# Altium PCB DRS4-PCB.PcbDoc (part 14 of 15) (continued)
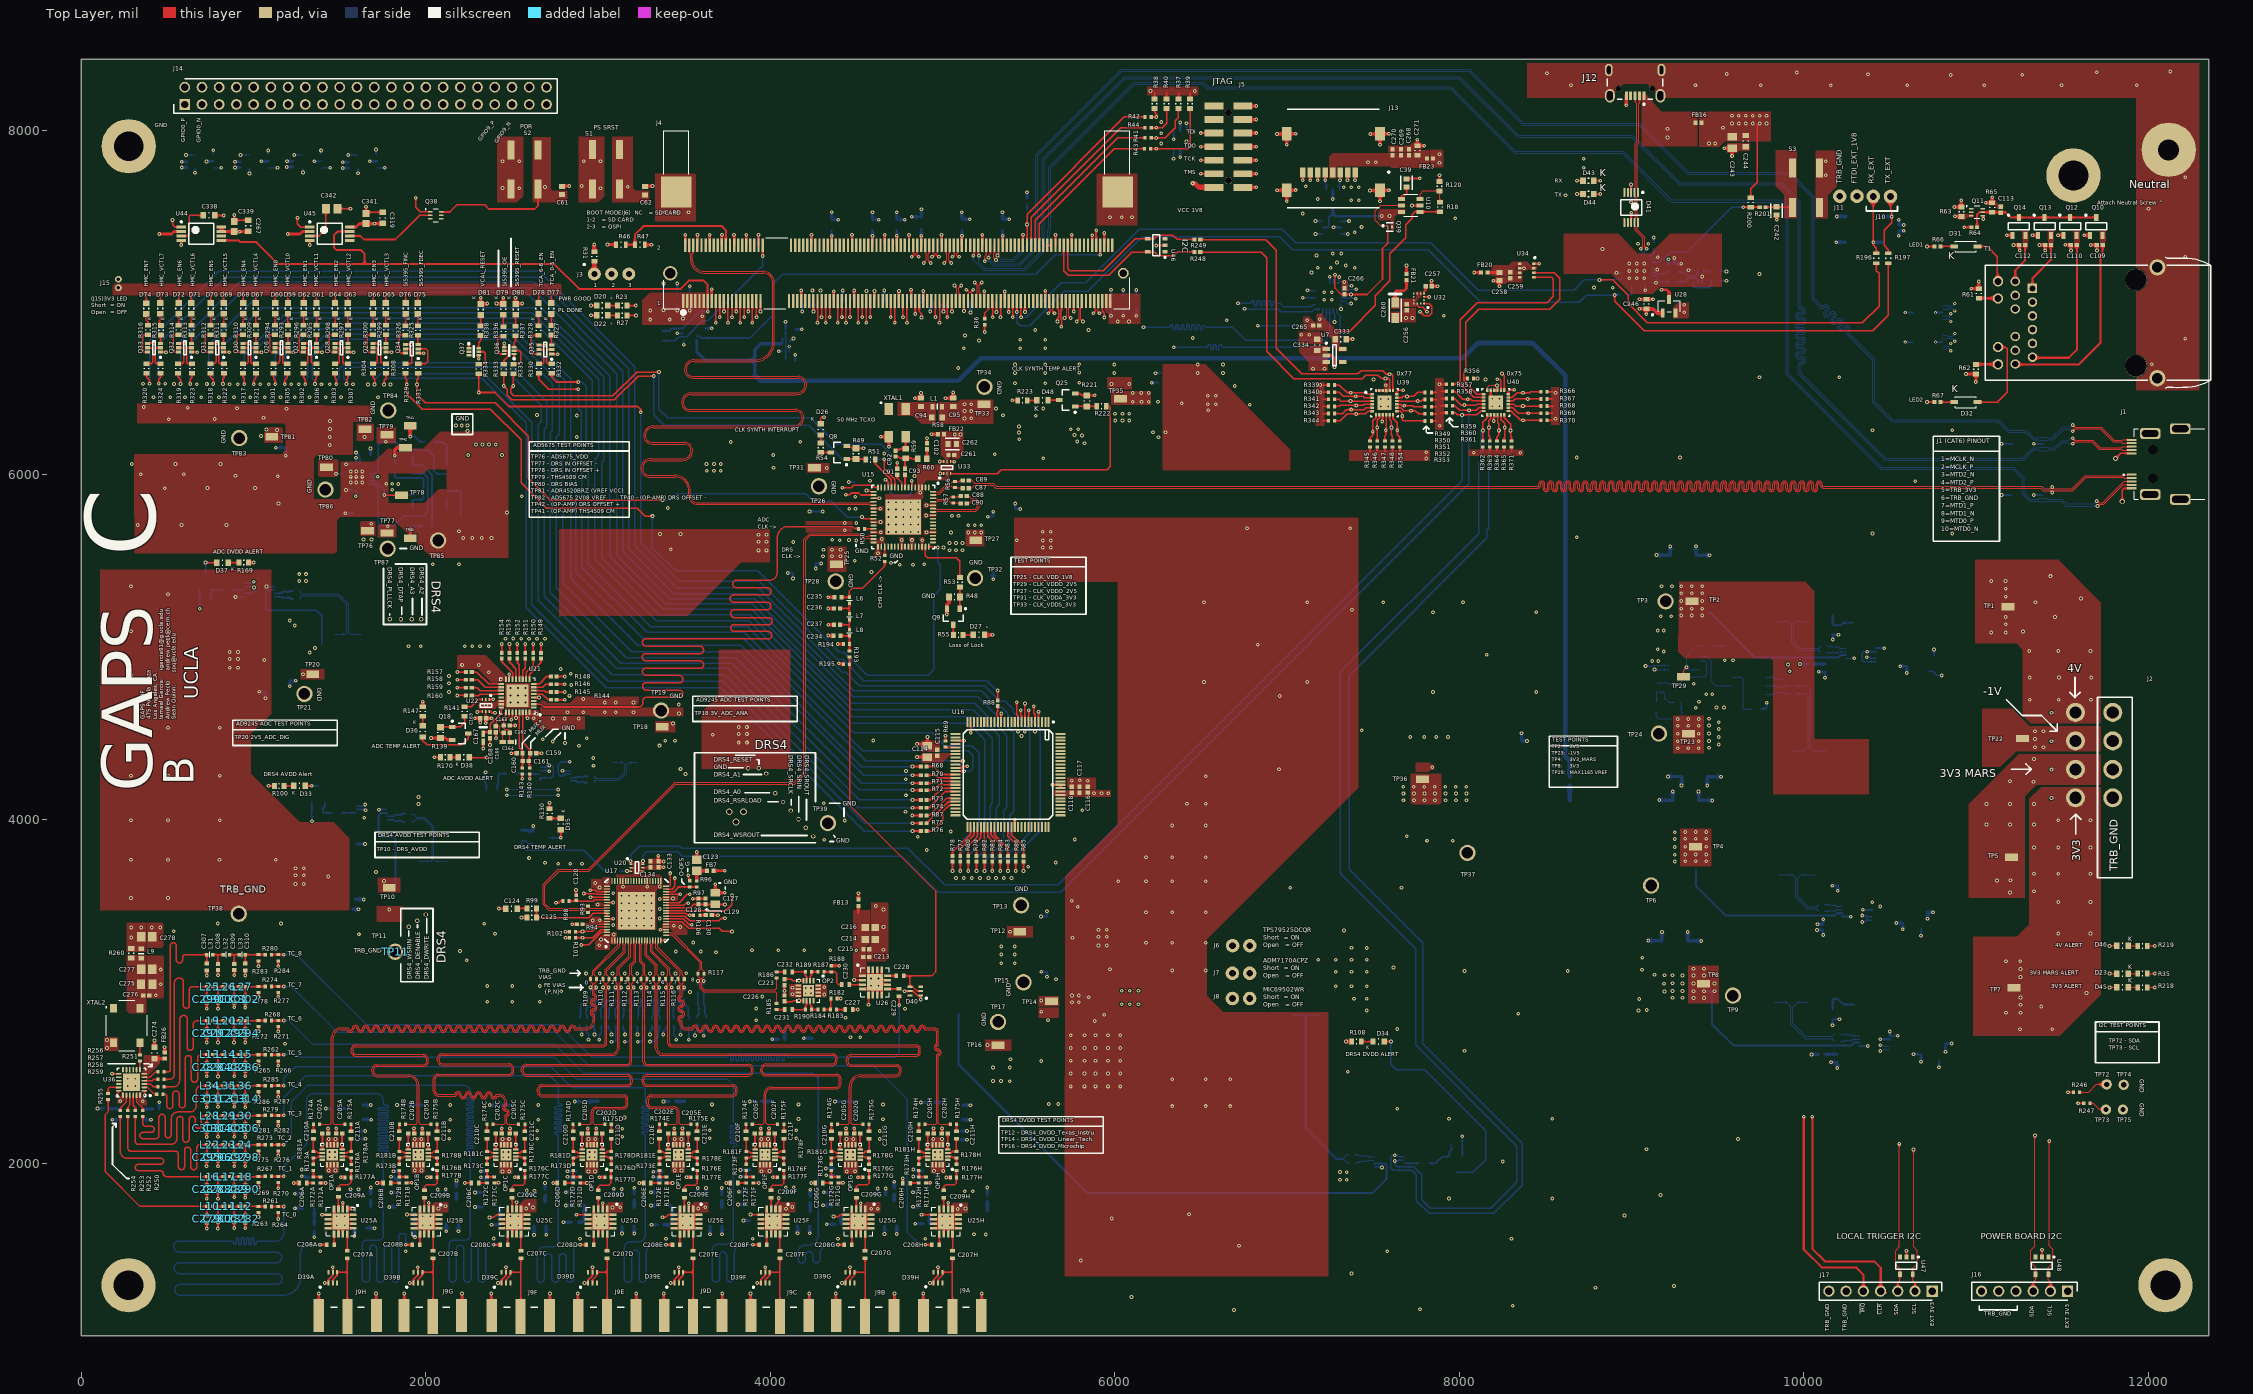
[diagram p0: Top Layer view]
## Polygon pours and split planes (outlines as drawn) (continued)
TRB_GND on Top Layer " " (solid, pour order 2500): 22 vertices, not listed, extent 1772.06,5516.63 2479.28,6248.58
TRB_GND on Top Layer " " (solid, pour order 2492): 1483.38,5736.07 1483.38,5556.52 1469.48,5542.62 1289.93,5542.62 308.68,5542.62 308.68,5856.38 1491.86,5856.38 1506.08,5870.6 1506.08,6075.07 1700,6075.07 1780.92,6150.75 1780.92,5756.47 1603.65,5756.47 1503.79,5756.47
NetC213_2 on Top Layer "Bottom Layer-3.3V 35" (solid, pour order 1134): 4578.29,3473.19 4578.29,3282.88 4555.78,3260.37 4555.78,3082.59 4481.43,3082.59 4481.43,3472.73
TRB_GND on Top Layer "Top Layer-GND 38" (solid, pour order 908): 3105.7,3595.64 3105.7,3356.82 3337.3,3356.82 3337.3,3584.76 3372.06,3619.52 3372.06,3663.57 3357.23,3678.4 3252.5,3678.4 3247.4,3683.5 3247.4,3753.64 3203.22,3753.64 3203.22,3682.26 3199.37,3678.4 3105.7,3678.4
DRS4_DVDD on Top Layer "Top Layer-DRS4_DVDD 1" (solid, pour order 496): 3453.45,3330 3517.91,3330 3517.91,3354.13 3475.68,3396.36 3413.92,3396.36 3375.18,3396.36 3372.4,3396.36 3372.4,3367.5 3415.96,3367.5
TRB_GND on Top Layer "TRB_GND_L01_P2650" (solid, pour order 2650): 4476.5,5731 4206,5731 4206,5665.73 4205.08,5664.8 4476.5,5664.8
CLK_VDD_1V8 on Top Layer "Top Layer-CLK_VDD_1V8 1" (solid, pour order 598): 4622.56,5616 4636.44,5641 4661.71,5641 4661.71,5603.05 4579.42,5603.05 4579.43,5616
TRB_GND on Top Layer "TRB_GND_L01_P2649" (solid, pour order 2649): 2672.22,4653.19 2683.71,4641.71 2691.59,4646 3493,4646 3493,4598.08 2956.92,4598.08 2945.37,4607.35 2681.84,4607.35 2665,4624.19 2665,4653.19
TRB_GND on Top Layer "TRB_GND_L01_P2648" (solid, pour order 2648): 3235.88,4712 3235.88,4673.88 3219.31,4657 3219.31,4655 2691.44,4655 2659.85,4686.58 2692.13,4686.93 2704.56,4674.5 2835.64,4674.5 2873.14,4712
"3V ADC" on Top Layer "Top Layer-ADC_AVDD 1" (solid, pour order 1834): 2654.15,4613.32 2670.74,4596.73 2922.92,4596.73 2922.92,4521.91 2667.14,4521.6 2595.51,4593.24 2595.41,4633 2654.14,4633
3.3V on Top Layer "Top Layer-3.3V 5" (solid, pour order 1908): 7124.83,6603.01 7124.83,6653.79 7068.93,6709.8 7069,6748.12 7235.86,6748.12 7235.86,6603.01
1V8_TXS02612RTWR on Top Layer "Top Layer-1V8_TXS02612RTWR" (solid, pour order 1914): 7259.93,6751.36 7295.82,6715.55 7344,6715.55 7344,6744 7311,6744 7303.77,6751.18 7303.77,6847.15 7279.11,6847.15 7208.32,6917.94 7208.03,6934.15 7172.33,6934.15 7172.33,6837.48 7209.75,6837.48 7259.93,6787.3
4V on Top Layer "Top Layer-4V" (solid, pour order 1032): 9274.98,5377.08 10007.2,5377.08 10059.85,5324.43 10059.85,4463.17 10376.9,4463.17 10376.91,4144.73 10378.1,4143.54 9824.14,4143.54 9822.95,4142.34 9822.95,4918.77 9806.13,4935.59 9307.28,4935.59 9270.19,4972.68
NetC256_1 on Top Layer "Top Layer-3.3V 15" (solid, pour order 1004): 7750,7024.55 7750,7063.29 7781.94,7063.29 7781.96,7039.4 7745.52,7002.96 7745.52,6971.17 7672.09,6971.17 7664.59,6963.67 7605.59,6963.67 7605.59,7021.91 7747.36,7021.91
TRB_GND on Top Layer "Top Layer-GND 47" (solid, pour order 1006): 7602,6946.37 7656.64,6946.38 7678.18,6967.91 7745.14,6967.91 7745.14,6885.06 7602,6885.06
3V3_SD on Top Layer "3V3_SD_L01_P2635" (solid, pour order 2635): 7529.56,7527.56 7542,7540 7687,7540 7687,7511 7639,7511 7623,7495 7623,7429 7618,7422 7606.56,7422 7602,7426.56 7602,7471 7595,7478 7591.56,7478 7531.56,7478 7529.56,7480
NEUTRAL on Top Layer "Ground Layer 2-SH" (solid, pour order 2587): 11928.8,6490 12295.03,6490 12295.03,8388.61 8394.25,8388.61 8394.25,8187.24 8871.23,8187.23 8953,8269 9091.3,8269 9172.13,8187.23 11928.8,8187.22
2V5_ADC_DIG on Top Layer "Top Layer-2V5_ADC_DIG" (solid, pour order 1804): 1273.32,4869.33 1408.71,4869.33 1408.71,4813.86 1273.32,4813.86
NetQ10_1 on Top Layer "Top Layer-NetQ8_1" (solid, pour order 230): 10894.8,7515.44 10938.27,7515.44 10941.57,7512.14 10980.08,7512.14 10980.08,7495.36 10981.5,7493.95 10947.01,7493.95 10934.25,7481.19 10898.82,7481.19 10894.8,7481.19
USB_VCC on Top Layer "USB_VCC_L01_P2627" (solid, pour order 2627): 9240,6972 9266.98,6998.98 9330.06,6998.98 9330.06,6912.06 9327,6909 9240,6909
VBUS on Top Layer "Top Layer-VBUS" (solid, pour order 56): 9171.3,8107.56 9078.98,8214 9060,8214 9060,7906.19 9379.57,7906.19 9379.57,8107.56
NetC273_1 on Top Layer "Top Layer-3.3V 8" (solid, pour order 762): 231.95,2350.01 246.98,2365.04 247,2415.68 231.83,2415.68 231.83,2393.4 208.15,2369.71 208.27,2349.93
3.3V on Top Layer "Bottom Layer-3.3V 31" (solid, pour order 754): 5041.01,4371.51 5050.64,4371.51 5050.64,4383 5042.03,4383 4877.55,4383 4877.55,4326.44 4997.98,4326.44 5027.27,4355.74
3.3V on Top Layer "Top Layer-3.3V 24" (solid, pour order 1780): 7359.13,6081.55 7359.13,6142.83 7828.35,6142.83 7828.35,6081.55
VCC_3V3 on Top Layer "Top Layer-VCC_3V3" (solid, pour order 850): 5963.46,6927.39 5963.46,6876.34 6146.63,6876.34 6146.63,7049.63 5941.6,7049.63 5941.6,6949.25
TRB_GND on Top Layer "Top Layer-GND 86" (solid, pour order 1918): 7167.89,6867.39 7167.89,6877.2 7128.29,6916.8 7093.2,6916.8 7093.2,6841.74 7090.75,6839.29 7167.89,6839.29
TRB_GND on Top Layer "Top Layer-GND 44" (solid, pour order 938): 25 vertices, not listed, extent 2307.98,4640.02 2605.29,4789.5
+4V_IN on Top Layer "Power Layer 9-+4V_IN" (solid, pour order 2140): 11234.3,5021.46 11271.62,4984.14 11271.62,4603.92 11317.82,4557.72 11724.45,4557.72 11724.65,5257.26 11476.39,5505.51 10994.09,5505.51 10994.09,5021.46
USB_VCC on Top Layer "Top Layer-USB_VCC" (solid, pour order 72): 9539.11,7936.17 9507.22,7904.28 9392.09,7904.28 9392.09,8106.44 9807.7,8106.44 9807.7,7936.17 9687.76,7936.17
TRB_GND on Top Layer "Top Layer-GND 54" (solid, pour order 2578): 2978.58,7580.83 2999.88,7580.83 3036.87,7617.61 3036.88,7961.35 2886.43,7961.35 2886.43,7580.83
TRB_GND on Top Layer "Top Layer-GND 54" (solid, pour order 970): 2506.72,7580.83 2528.01,7580.83 2565.01,7617.61 2565.01,7961.35 2414.56,7961.35 2414.56,7580.83
POR on Top Layer "Top Layer-PS_SRST#" (solid, pour order 960): 2619.27,7958.13 2724.3,7958.13 2724.3,7659.2 2734.62,7648.88 2820.6,7648.88 2820.6,7580.83 2619.27,7580.83
DRS4_AVDD on Top Layer "Top Layer-DRS4_AVDD 3" (solid, pour order 472): 3069.5,3601.78 3032.14,3601.78 3023.45,3610.47 3023.45,3650 2959.99,3650 2959.99,3602.2 2976.52,3602.2 2991.76,3586.96 3069.63,3586.96
TRB_GND on Top Layer " " (solid, pour order 2522): 983.28,3472.54 1552.58,3472.54 1555.42,3475.39 1555.42,3890.39 1464.11,3981.7 1266.68,3981.7 943.03,4305.35 749.64,4305.35 749.64,3472.54
TRB_GND on Top Layer " " (solid, pour order 2488): 5708.46,1346.32 7238.75,1346.32 7238.75,2880.12 6627.8,2880.12 6532.28,2975.64 6532.28,3301.71 7412.88,4182.31 7412.87,5444.24 6015.95,5444.24 6015.95,3971.11 5712.57,3667.73
TRB_GND on Top Layer " " (solid, pour order 2456): 110.59,5449.6 1101.95,5449.6 1101.95,4613.43 983.28,4494.76 983.28,3472.54 110.59,3472.54
-1V_IN on Top Layer "Power Layer 9-No Net 4" (solid, pour order 2158): 11310.03,4540.72 11209.59,4641.16 11035.29,4641.16 11035.29,4540.72 11035.29,4303.54 11141.04,4303.54 11231.85,4394.35 11722.59,4394.36 11722.59,4540.72
+3V3_SPM15 on Top Layer "Power Layer 9-No Net 3" (solid, pour order 2146): 11723.21,4376.29 11246.37,4376.29 10956.99,4086.91 10956.99,3543 11283.18,3543.01 11283.18,4133.9 11348.54,4199.26 11723.21,4199.26
+3V3_IN on Top Layer "Power Layer 9-No Net 1" (solid, pour order 2142): 11376.67,4184.39 11723.52,4184.4 11723.52,2979.84 11485.86,2742.17 10984.25,2742.17 10984.25,3318.52 11236.28,3318.52 11306.78,3389.01 11306.78,4119.39
NetC258_1 on Top Layer "Top Layer-3.3V 16" (solid, pour order 996): 22 vertices, not listed, extent 8189.17,7154.93 8449.93,7236.08
DRS4_AVDD on Top Layer "Top Layer-DRS4_AVDD" (solid, pour order 492): 3068.82,3493.81 2979.07,3493.81 2979.07,3515.97 3023.35,3515.97 3032.84,3506.47 3068.86,3506.47
DRS4_AVDD on Top Layer "Top Layer-DRS4_AVDD 2" (solid, pour order 488): 2966.14,3432.85 2949.48,3416.19 2949.48,3398.17 2977.78,3398.17 3070.72,3398.17 3070.72,3411.55 3030.89,3411.55 3009.4,3433.04
VCC_3V3 on Top Layer "Top Layer-VCC_3V3 1" (solid, pour order 820): 3622.7,6869.77 3255.44,6869.77 3255.44,7011.58 3300.27,7056.4 3622.7,7056.4
3.3V on Top Layer "Top Layer-3.3V 26" (solid, pour order 1786): 7583.64,6477.16 7564.94,6477.16 7564.59,6476.81 7564.59,6506.1 7559.34,6511.35 7559.34,6532.88 7587.89,6532.88 7587.89,6510.39 7583.64,6506.14
TRB_GND on Top Layer " " (solid, pour order 2564): 3601.23,4294.32 4115.12,4294.32 4115.12,4983.04 3701.26,4983.04 3699.52,4984.77 3699.52,4719.21 3601.23,4620.91
TRB_GND on Top Layer "Top Layer-GND 74" (solid, pour order 1252): 470,3399.83 476.09,3393.75 476.09,3262.25 467.31,3253.47 383.33,3253.47 383.33,3399.83
TRB_GND on Top Layer "Top Layer-GND 75" (solid, pour order 1250): 381.87,2959.65 381.48,2959.26 470.93,2959.26 477.5,2965.84 477.5,3202.73 472.1,3208.13 381.92,3208.13
NetC275_2 on Top Layer "Top Layer-NetC289_2" (solid, pour order 1248): 264.43,3209.58 376.97,3209.58 377.16,2876.6 374.71,2874.14 278.02,2874.14 264.43,2887.73
3.3V on Top Layer "Top Layer-3.3V 23" (solid, pour order 1246): 268.92,3229.3 370.46,3229.3 376.72,3235.56 376.72,3399.73 267.74,3399.73 263.88,3395.88 263.88,3229.3
TRB_GND on Top Layer " " (solid, pour order 2562): 6278.51,6640.02 6523.35,6640.01 7017.51,6145.85 7017.51,6029.62 7014.52,6026.62 6277.14,6026.62
TRB_GND on Top Layer " " (solid, pour order 2560): 3996.03,5684.72 3996.03,5492.53 3830.89,5492.53 3519.23,5180.88 2785.22,5180.88 2773.43,5169.09 2773.43,5684.72 3799.03,5684.72
TRB_GND on Top Layer " " (solid, pour order 2558): 5415.25,5749.69 7412.88,5749.7 7412.87,5378 5415.25,5378
TRB_GND on Top Layer " " (solid, pour order 2518): 8882.85,7166.15 8998.25,7050.75 9123.17,7050.75 9164.81,7092.39 9522.67,7092.39 9522.67,7399.86 9222.89,7399.86 9107.14,7284.11 9036.56,7284.11 8920.81,7399.86 8606.78,7399.86 8606.78,7166.34
TRB_GND on Top Layer "Top Layer-GND 36" (solid, pour order 854): 19 vertices, not listed, extent 4666.35,5651.68 5064.48,6058.88
DRS4_DVDD on Top Layer "Top Layer-2V5_DRS_DIG 2" (solid, pour order 1838): 5374.33,3378.08 5523.94,3378.08 5524.17,3313.36 5524.57,3312.96 5374.33,3313.36
TRB_GND on Top Layer "Top Layer-GND 21" (solid, pour order 478): 3358.26,3663.57 3372.06,3663.57 3372.06,3616.13 3372.06,3594.93 3336.8,3594.93 3336.8,3618.86 3353.03,3618.86 3356.86,3622.69 3356.86,3663.57
TRB_GND on Top Layer "Top Layer-GND 22" (solid, pour order 476): 3274.98,3586.97 3299.29,3586.96 3299.29,3609.53 3293.58,3615.24 3293.58,3662.99 3277.6,3663.14 3277.46,3614.79 3271.8,3609.13 3271.8,3586.92
TRB_GND on Top Layer "Top Layer-GND 23" (solid, pour order 474): 3134.46,3582.82 3160.98,3582.67 3160.98,3609.35 3151.52,3618.8 3151.52,3663.71 3136.01,3663.81 3135.89,3618.71 3128.35,3611.17 3128.35,3582.7
DRS4_DVDD on Top Layer "Top Layer-DRS4_DVDD" (solid, pour order 592): 3461.88,3525.61 3372.22,3525.51 3372.22,3554.04 3461.88,3554.04
TRB_GND on Top Layer "Top Layer-GND 16" (solid, pour order 494): 3026.98,3610.2 3033.91,3603.27 3069.53,3603.27 3069.53,3661.67 3027.13,3661.67
DRS4_AVDD on Top Layer "Top Layer-DRS4_AVDD 1" (solid, pour order 490): 3027.16,3332.96 2983.11,3288.9 2983.11,3242.4 3067.91,3242.4 3067.91,3321.78 3067.91,3332.96
TRB_GND on Top Layer "Top Layer-GND 17" (solid, pour order 486): 3074.18,3323.05 3074.18,3273.77 3102.78,3273.77 3102.9,3317.32 3107.13,3321.55 3107.13,3344.94 3074.18,3344.94
TRB_GND on Top Layer " " (solid, pour order 2502): 19 vertices, not listed, extent 307.98,5756.47 1678.7,6415.48
NetC192D_2 on Top Layer "Top Layer-3.3V 22" (solid, pour order 1350): 3040.28,1717.99 3143.27,1717.99 3143.27,1776.57 3057.36,1776.57 3040.28,1759.49
TRB_GND on Top Layer "Bottom Layer-GND 85" (solid, pour order 1136): 4685.16,3515.19 4685.16,3192.44 4666.66,3173.94 4560.78,3173.94 4560.5,3252.59 4586.35,3278.43 4586.35,3515.19
NetC192C_2 on Top Layer "Top Layer-3.3V 22" (solid, pour order 1348): 2540.12,1717.99 2639.47,1717.99 2639.47,1794.61 2575.24,1794.61 2540.12,1759.49
NetC274_1 on Top Layer "Top Layer-3.3V 6" (solid, pour order 780): 387.77,2514.46 454.53,2581.21 454.53,2630.81 362.92,2630.81 362.83,2541.12 348.29,2526.58 348.37,2514.46
NetC272_1 on Top Layer "Top Layer-3.3V 7" (solid, pour order 764): 333,2414.98 333,2339.78 378.62,2339.67 378.71,2364.47 349.64,2393.54 349.64,2414.98
NetC217_1 on Top Layer "Top Layer-4V 1" (solid, pour order 2282): 4180.58,3043.1 4180.58,2967.48 4114.08,2967.48 4109.02,2972.54 4109.02,3038.5 4113.61,3043.1
TRB_GND on Top Layer "Bottom Layer-GND 67" (solid, pour order 760): 4879.59,4391.38 4927.27,4391.38 4945.57,4391.38 4983.99,4391.38 4983.99,4454.91 4879.59,4454.91
TRB_GND on Top Layer " " (solid, pour order 2234): 3347.96,7745.79 3566,7745.79 3566.62,7745.16 3566.62,7469.95 3330.81,7469.95 3330.81,7745.79
"2V5 ADC" on Top Layer "Top Layer-ADC_DVDD" (solid, pour order 1982): 2300.04,4874.2 2181.83,4874.2 2181.82,4953.15 2346.9,4953.15 2470.78,4829.27 2470.78,4794.37 2379.86,4794.37
3.3V on Top Layer "Top Layer-3.3V 12" (solid, pour order 910): 3249.84,3712.99 3280.87,3712.99 3285.96,3707.97 3288.57,3707.97 3367.85,3707.89 3367.85,3734.82 3290.91,3734.9 3280.05,3724.04 3249.84,3724.04
TRB_GND on Top Layer " " (solid, pour order 2236): 5910.96,7745.79 6128.59,7745.79 6128.59,7447.06 5893.8,7447.06 5893.8,7745.79
2V5_REF on Top Layer "Top Layer-2V5_REF" (solid, pour order 880): 1597.89,6290.4 1597.89,6201.42 1602.29,6197.03 1691.69,6197.03 1697.45,6202.79 1697.45,6292.28 1693.43,6296.31 1600.92,6296.31 1597.89,6293.28
3V_ADC_ANA on Top Layer "Top Layer-3V_ADC_ANA" (solid, pour order 1960): 3332.08,4568.93 3447.47,4568.93 3447.47,4503.49 3332.08,4503.49
TRB_GND on Top Layer "Top Layer-GND 96" (solid, pour order 1956): 1713.66,3495.68 1863.32,3495.68 1863.32,3405.67 1713.66,3405.67
2V5_DRS_ANA on Top Layer "Top Layer-2V5_DRS_ANA" (solid, pour order 1954): 1721.76,3660.35 1850.98,3660.35 1850.98,3576.57 1722.36,3576.57
VCC_1V8_PS on Top Layer "Top Layer-VCC_1V8_PS" (solid, pour order 1928): 6187.95,8233.44 6187.95,8203.54 6485.05,8203.54 6485.3,8251.84 6187.95,8252.1
TRB_GND on Top Layer "Top Layer-GND 88" (solid, pour order 1912): 7205.91,6760.33 7205.91,6831.02 7068.62,6831.02 7068.62,6760.62
CLK_VDDO_2V5 on Top Layer "Top Layer-CLK_VDDO_2V5 3" (solid, pour order 1894): 5135.03,5681.07 5240.24,5681.07 5240.24,5583.19 5135.03,5583.19
CLK_VDD_1V8 on Top Layer "Top Layer-CLK_VDD_1V8 2" (solid, pour order 1884): 4334.41,5582.95 4439.33,5582.95 4439.33,5436.56 4334.41,5436.56
3.3V on Top Layer "Bottom Layer-3.3V 27" (solid, pour order 790): 5976.69,4169.09 5718.03,4169.09 5649.13,4169.09 5649.13,4129.76 5976.69,4129.76
TRB_GND on Top Layer "Bottom Layer-GND 124" (solid, pour order 1802): 5723.98,4187.64 5737.24,4174.37 5889.8,4174.37 5889.8,4242.05 5723.98,4242.05
NetC94_1 on Top Layer "Top Layer-NetC92_1" (solid, pour order 724): 4960.88,6414.43 4960.88,6296.91 4962.7,6295.1 4875.77,6295.1 4827.32,6343.55 4738.28,6343.55 4738.28,6421.57 4960.88,6421.57
VCC_IO_B34 on Top Layer "Top Layer-VCC_IO_B34" (solid, pour order 1876): 5977.68,6485.35 6207.83,6485.35 6208.78,6486.3 6208.78,6406.73 6209.76,6405.75 5978.31,6405.75 5977.68,6406.38
DRS4_DVDD on Top Layer "Top Layer-2V5_DRS_DIG" (solid, pour order 1844): 5248.04,2719.82 5397.65,2719.82 5397.89,2655.09 5398.28,2654.7 5248.04,2655.09
TRB_GND on Top Layer "Top Layer-GND 81" (solid, pour order 1842): 5557.57,2905.12 5672.77,2905.12 5672.98,2847.09 5557.57,2847.39
DRS4_DVDD on Top Layer "Top Layer-2V5_DRS_DIG 1" (solid, pour order 1840): 5557.97,2973.5 5675.4,2973.5 5675.62,2913.25 5557.97,2913.56
CLK_VDDA_3V3 on Top Layer "Top Layer-CLK_VDDA_3V3" (solid, pour order 1832): 4211.42,6066.06 4341.5,6066.06 4341.69,6010.52 4214.49,6010.31 4211.42,6010.31
NetC218_1 on Top Layer "Top Layer-4V 1" (solid, pour order 1830): 4260.68,2965.66 4260.68,3041.28 4320.94,3041.28 4327.16,3035.06 4327.16,2970.1 4322.73,2965.66
VDD_MARS_3V3 on Top Layer "Top Layer-VDD_MARS_3V3" (solid, pour order 1800): 7736.38,4262.48 7894.09,4262.48 7894.09,4095.59 7894.53,4095.16 7884.84,4085.47 7728.07,4085.47 7718.39,4095.16 7718.39,4262.48
TRB_GND on Top Layer "Top Layer-GND 78" (solid, pour order 1798): 7746.1,4326.75 7826.38,4326.81 7837.24,4315.94 7854.52,4315.94 7854.52,4287.2 7834.17,4287.2 7821.46,4274.49 7746.1,4274.49
3.3V on Top Layer "Top Layer-3.3V 25" (solid, pour order 1784): 8533.15,6509.02 8582.4,6509.02 8582.4,6290.15 8533.15,6290.15
3.3V on Top Layer "Top Layer-3.3V 25" (solid, pour order 1782): 7216.1,6282.8 7166.85,6282.8 7166.85,6535.31 7216.1,6535.31
3.3V on Top Layer "Top Layer-3.3V 24" (solid, pour order 1758): 8053.69,6110.67 8053.69,6146.14 8370.12,6146.14 8370.12,6110.67
3.3V on Top Layer "Top Layer-3.3V 25" (solid, pour order 1756): 7860.75,6559.65 7909.57,6559.65 7910,6559.21 7910,6261.81 7860.75,6261.81
NetC197H_1 on Top Layer "Top Layer-4V 1" (solid, pour order 1438): 4932.34,2012.34 5014.48,2012.34 5014.48,1948.56 5011.77,1945.86 4936.78,1945.86 4932.34,1950.29
NetC196H_1 on Top Layer "Top Layer-4V 1" (solid, pour order 1754): 5007.97,2092.44 4932.35,2092.44 4932.35,2149.15 4937.96,2154.76 5003,2154.76 5007.97,2149.79
NetC192H_2 on Top Layer "Top Layer-3.3V 22" (solid, pour order 1436): 5045.87,1715.87 5145.21,1715.87 5145.21,1774.45 5062.95,1774.45 5045.87,1757.36
NetC192G_2 on Top Layer "Top Layer-3.3V 22" (solid, pour order 1414): 4538.34,1717.99 4637.69,1717.99 4637.69,1776.57 4555.43,1776.57 4538.34,1759.49
NetC197G_1 on Top Layer "Top Layer-4V 1" (solid, pour order 1408): 4424.83,2014.47 4506.17,2014.47 4506.17,1944.9 4502.37,1941.1 4430.19,1941.1 4424.83,1946.46
NetC196G_1 on Top Layer "Top Layer-4V 1" (solid, pour order 1406): 4500.45,2094.57 4424.83,2094.57 4424.83,2151.27 4430.44,2156.88 4495.48,2156.88 4500.45,2151.91
NetC192F_2 on Top Layer "Top Layer-3.3V 22" (solid, pour order 1404): 4043.82,1717.99 4143.17,1717.99 4143.17,1776.57 4060.91,1776.57 4043.82,1759.49
NetC196F_1 on Top Layer "Top Layer-4V 1" (solid, pour order 1400): 4005.65,2094.57 3930.03,2094.57 3930.03,2151.27 3935.64,2156.88 4000.68,2156.88 4005.65,2151.91
NetC197F_1 on Top Layer "Top Layer-4V 1" (solid, pour order 1380): 3930.7,2011.92 4010.11,2011.92 4010.11,1947.2 4004.58,1941.66 3939.17,1941.66 3930.7,1950.14
NetC192E_2 on Top Layer "Top Layer-3.3V 22" (solid, pour order 1376): 3540.12,1717.99 3639.47,1717.99 3639.47,1776.57 3557.2,1776.57 3540.12,1759.49
NetC197E_1 on Top Layer "Top Layer-4V 1" (solid, pour order 1374): 3426.95,2014.47 3502.57,2014.47 3502.57,1954.21 3496.35,1947.98 3431.39,1947.98 3426.95,1952.42
NetC196E_1 on Top Layer "Top Layer-4V 1" (solid, pour order 1358): 3502.58,2094.57 3426.96,2094.57 3426.96,2151.27 3432.57,2156.88 3497.61,2156.88 3502.58,2151.91
NetC196D_1 on Top Layer "Top Layer-4V 1" (solid, pour order 1346): 3001.67,2094.57 2926.05,2094.57 2926.05,2151.27 2931.66,2156.88 2996.7,2156.88 3001.67,2151.91
NetC197D_1 on Top Layer "Top Layer-4V 1" (solid, pour order 1330): 2926.05,2014.47 3001.66,2014.47 3001.66,1951.46 2991.8,1941.6 2932.9,1941.6 2926.05,1948.46
NetC197C_1 on Top Layer "Top Layer-4V 1" (solid, pour order 1308): 2426.79,2012.35 2502.41,2012.35 2502.41,1946.01 2498.06,1941.65 2430.61,1941.65 2426.79,1945.47
NetC196C_1 on Top Layer "Top Layer-4V 1" (solid, pour order 1306): 2502.42,2092.45 2426.8,2092.45 2426.8,2149.15 2432.41,2154.76 2497.45,2154.76 2502.42,2149.79
NetC192B_2 on Top Layer "Top Layer-3.3V 22" (solid, pour order 1304): 2030.67,1717.99 2130.02,1717.99 2130.02,1776.57 2047.76,1776.57 2030.67,1759.49
NetC196B_1 on Top Layer "Top Layer-4V 1" (solid, pour order 1294): 1992.97,2092.45 1917.35,2092.45 1917.35,2149.15 1922.96,2154.76 1988,2154.76 1992.97,2149.79
NetC197B_1 on Top Layer "Top Layer-4V 1" (solid, pour order 1288): 1917.34,2012.35 1992.96,2012.35 1992.96,1952.09 1986.74,1945.87 1921.78,1945.87 1917.34,1950.3
NetC197A_1 on Top Layer "Top Layer-4V 1" (solid, pour order 1280): 1418.6,2012.35 1494.21,2012.35 1494.21,1952.09 1487.99,1945.87 1423.03,1945.87 1418.6,1950.3
NetC196A_1 on Top Layer "Top Layer-4V 1" (solid, pour order 1270): 1494.22,2092.45 1418.6,2092.45 1418.6,2149.15 1424.21,2154.76 1489.25,2154.76 1494.22,2149.79
TRB_GND on Top Layer "Top Layer-GND 76" (solid, pour order 1238): 132.5,2734.84 210.3,2734.84 212.7,2732.44 212.7,2658.11 210.18,2655.59 132.83,2655.59
TRB_GND on Top Layer "Top Layer-GND 62" (solid, pour order 1132): 5969.19,6564.52 6097.67,6564.52 6097.67,6495.39 5954.52,6495.38 5954.52,6564.52
3.3V on Top Layer "Top Layer-3.3V 18" (solid, pour order 1038): 9331.34,3150.09 9505.23,3150.09 9505.75,3150.61 9505.75,2934.52 9507.82,2932.45 9329.8,2932.45 9328.26,2933.99 9328.26,3150.09
VCC_3V3 on Top Layer "Top Layer-VCC_3V3 2" (solid, pour order 1036): 9286.38,3945.66 9460.27,3945.66 9460.79,3946.18 9460.79,3730.09 9462.86,3728.02 9284.84,3728.02 9283.29,3729.56 9283.29,3945.66
-1V on Top Layer "Top Layer--1V" (solid, pour order 1034): 9243.82,4601.94 9417.71,4601.94 9418.23,4602.46 9418.23,4386.37 9420.3,4384.3 9242.28,4384.3 9240.74,4385.84 9240.74,4601.94
TRB_GND on Top Layer "Top Layer-GND 49" (solid, pour order 1000): 8332.01,7202.93 8340.15,7211.07 8383.44,7211.07 8395.43,7199.08 8395.43,7186.2 8332.01,7186.2
TRB_GND on Top Layer "Top Layer-GND 50" (solid, pour order 998): 8212.16,7151.6 8277.61,7151.6 8282.6,7156.59 8364.83,7156.59 8364.83,7116.9 8278.69,7116.9 8269.43,7107.64 8212.16,7107.64
TRB_GND on Top Layer "Top Layer-GND 51" (solid, pour order 994): 7315.87,7069.02 7351.23,7069.02 7351.48,7125.72 7346.94,7130.26 7319.53,7130.26 7315.87,7126.6
3.3V on Top Layer "Top Layer-3.3V 17" (solid, pour order 990): 7831.14,7885.02 7898.57,7885.02 7905.07,7878.52 7905.07,7788.93 7899.55,7783.41 7831.14,7783.41
TRB_GND on Top Layer "Top Layer-GND 52" (solid, pour order 984): 7586.01,7908.26 7708.17,7908.26 7725.01,7925.76 7777.49,7925.76 7777.49,7889.08 7738.66,7889.08 7722.04,7872.46 7586.01,7872.46
3V3_SD on Top Layer "Top Layer-3V3_SD 1" (solid, pour order 982): 7826.11,7866.61 7826.11,7884.47 7743.02,7884.64 7724.78,7866.67 7265.53,7866.97 7244.21,7845.65 7244.21,7723.24 7246.45,7721 7281.94,7721 7286.03,7725.09 7286.03,7785.44 7291.06,7790.47 7595.95,7790.47 7603.53,7782.88 7826.11,7782.88
PS_SRST# on Top Layer "Top Layer-POR" (solid, pour order 964): 3082.77,7960.61 3199.78,7960.61 3199.78,7667.16 3217.67,7649.27 3297.9,7649.27 3297.9,7581.23 3082.77,7581.23
TRB_GND on Top Layer "Top Layer-GND 41" (solid, pour order 954): 5118.82,6253.51 5118.97,6119.51 5092.47,6093.01 5057.79,6093.01 5055.08,6095.72 5055.08,6253.51
NetC261_2 on Top Layer "Top Layer-3.3V 13" (solid, pour order 950): 5021.69,6064.06 5033.26,6064.06 5033.41,6085.63 5052.49,6104.71 5052.49,6253.43 4988.92,6253.43 4988.5,6116.77 5019.33,6085.94 5019.33,6064.06
TRB_GND on Top Layer "Top Layer-GND 42" (solid, pour order 948): 4972.45,5984.51 5015.34,5984.51 5019.34,5988.52 5019.34,6029 5037.52,6029 5037.52,5976.12 5027.86,5966.47 4972.45,5966.47
3.3V on Top Layer "Top Layer-3.3V 14" (solid, pour order 942): 2334.47,4597.72 2340.87,4604.12 2340.87,4634.7 2354.72,4634.7 2354.72,4604.14 2361.72,4597.14 2361.72,4573.37 2334.47,4573.37
TRB_GND on Top Layer "Top Layer-GND 37" (solid, pour order 936): 3289.94,3740.7 3366.6,3740.7 3366.6,3771.22 3289.94,3771.22
VOUT- on Top Layer "Top Layer-VOUT-" (solid, pour order 894): 1721.9,5703.29 1734.53,5713.09 1817.33,5713.09 1827.83,5702.59 1827.83,5635.4 1721.9,5635.4
NetC321_1 on Top Layer "Top Layer-3.3V 10" (solid, pour order 888): 1618.37,5662.11 1618.37,5724.34 1624.54,5730.52 1699.61,5730.52 1704.6,5725.53 1704.6,5646.95 1618.37,5646.95
NetC323_1 on Top Layer "Top Layer-3.3V 11" (solid, pour order 884): 1060.27,6274.19 1060.27,6186.45 1167.68,6186.45 1167.68,6266.87 1160.35,6274.19
CM on Top Layer "Top Layer-CM" (solid, pour order 878): 1718.33,6182.04 1825,6182.04 1825,6275.99 1716.14,6275.99 1716.14,6184.22
BIAS on Top Layer "Top Layer-BIAS" (solid, pour order 872): 1378.64,6089.21 1373.95,6084.52 1373.95,5996.87 1381.88,5988.95 1482.78,5988.95 1490.06,5996.22 1490.06,6081.26 1482.11,6089.21
3V3_LED on Top Layer "Top Layer-3V3_LED" (solid, pour order 818): 2636.89,7107.17 2781.94,7107.17 2786.24,7102.86 2786.24,7070.97 2786.24,7045.44 2781.41,7040.6 2634.8,7040.6 189.08,7040.6 181.23,7048.45 181.23,7096.7 191.69,7107.17
CLK_VDDS_3V3 on Top Layer "Top Layer-CLK_VDDS_3V3" (solid, pour order 720): 5293.95,6435.19 5101.81,6435.19 5088.63,6422.01 4976.94,6422.01 4976.94,6301.97 4971.93,6296.96 5293.95,6296.96
CLK_VDD_1V8 on Top Layer "Top Layer-CLK_VDD_1V8" (solid, pour order 718): 4963.91,5815.21 4917.38,5815.21 4911.01,5808.84 4889.51,5808.84 4889.45,5836.29 4914.92,5836.4 4920.47,5830.86 4963.91,5830.86
CLK_VDDO_2V5 on Top Layer "Top Layer-CLK_VDD_1V8" (solid, pour order 684): 4963.91,5756.16 4917.38,5756.16 4911.01,5749.78 4889.51,5749.78 4889.45,5777.23 4914.92,5777.35 4920.47,5771.8 4963.91,5771.8
CLK_VDDO_2V5 on Top Layer "Top Layer-CLK_VDD_1V8" (solid, pour order 682): 4963.91,5657.73 4917.38,5657.73 4911.01,5651.36 4889.51,5651.36 4889.45,5678.81 4914.92,5678.92 4920.47,5673.38 4963.91,5673.38
CLK_VDD_1V8 on Top Layer "Top Layer-CLK_VDD_1V8" (solid, pour order 680): 4872.32,5562.27 4872.32,5608.8 4865.94,5615.18 4865.94,5636.67 4893.39,5636.73 4893.51,5611.26 4887.96,5605.71 4887.96,5562.27
CLK_VDDO_2V5 on Top Layer "Top Layer-CLK_VDDO_2V5" (solid, pour order 604): 4813.27,5562.27 4813.27,5608.8 4806.89,5615.18 4806.89,5636.67 4834.34,5636.73 4834.45,5611.26 4828.91,5605.71 4828.91,5562.27
CLK_VDDO_2V5 on Top Layer "Top Layer-CLK_VDDO_3V3" (solid, pour order 602): 4754.21,5562.27 4754.21,5608.8 4747.83,5615.18 4747.83,5636.67 4775.28,5636.73 4775.4,5611.26 4769.85,5605.71 4769.85,5562.27
CLK_VDDO_2V5 on Top Layer "Top Layer-CLK_VDDO_2V5 1" (solid, pour order 600): 4633.02,5524.4 4644.52,5524.4 4644.52,5549.16 4632.88,5560.8 4632.88,5600.81 4615.85,5600.81 4615.85,5564.54 4615.87,5560.11 4602.08,5546.43 4602.08,5524.37 4616.04,5524.37
CLK_VDDO_2V5 on Top Layer "Top Layer-CLK_VDDO_2V5 2" (solid, pour order 596): 4580.01,5732.6 4626.53,5732.6 4632.91,5738.98 4654.41,5738.98 4654.46,5711.53 4629,5711.41 4623.45,5716.96 4580.01,5716.96
CLK_VDDO_2V5 on Top Layer "Top Layer-CLK_VDDO_3V3 1" (solid, pour order 594): 4580.01,5811.34 4626.53,5811.34 4632.91,5817.72 4654.41,5817.72 4654.46,5790.27 4629,5790.15 4623.45,5795.7 4580.01,5795.7
TRB_GND on Top Layer "Top Layer-GND" (solid, pour order 228): 11113.63,7594.07 11113.63,7586.29 11128.75,7571.17 11158.08,7571.17 11158.08,7543.26 11129.22,7543.06 11109.36,7562.92 11073.41,7562.92 11073.41,7594.07
TD3 on Top Layer "Top Layer-TD3" (solid, pour order 226): 11270.33,7317.2 11270.33,7364.68 11266.79,7368.22 11266.79,7416.41 11301.27,7416.41 11301.27,7352.63 11297.73,7349.09 11297.73,7317.2
TD2 on Top Layer "Top Layer-TD2" (solid, pour order 222): 11419.54,7316.73 11419.54,7364.68 11415.84,7368.38 11415.84,7416.41 11450.49,7416.41 11450.49,7352.63 11446.94,7349.09 11446.94,7316.73
TD1 on Top Layer "Top Layer-TD1" (solid, pour order 220): 11569.94,7315.78 11569.94,7364.68 11565.84,7368.78 11565.84,7416.41 11600.88,7416.41 11600.88,7352.63 11597.34,7349.09 11597.34,7315.78
TD0 on Top Layer "Top Layer-TD0" (solid, pour order 218): 11720.33,7316.96 11720.33,7364.68 11718.2,7366.81 11718.2,7416.41 11751.27,7416.41 11751.27,7352.63 11747.73,7349.09 11747.73,7316.96
TRB_GND on Top Layer "Top Layer-GND 5" (solid, pour order 180): 9554.7,7910.89 9554.7,7879.47 9554.7,7868.84 9570.12,7868.84 9595.81,7868.84 9612.58,7868.84 9624.39,7880.65 9649.43,7880.65 9674.47,7880.65 9684.86,7880.65 9684.86,7891.05 9684.86,7916.56 9684.86,7924.12 9554.7,7924.12
TRB_GND on Top Layer "Top Layer-GND 6" (solid, pour order 158): 10190.32,7673.51 10139.59,7622.78 10139.59,7488.94 10067.49,7488.94 10067.49,7673.51 10067.49,7881.86 10111.8,7881.86 10144.26,7881.86 10190.32,7881.86 10190.32,7871.23 10190.32,7838.28 10190.32,7716.97
FTDI_\R\E\S\E\T\ on Top Layer "Top Layer-FTDI_\R\E\S\E\T\" (solid, pour order 62): 9836.64,7674.53 9885.77,7625.41 9885.77,7488.94 9958.04,7488.94 9958.04,7883.59 9836.64,7883.59